# KiCad board sr99-stm32-hotswap.kicad_pcb (continued)
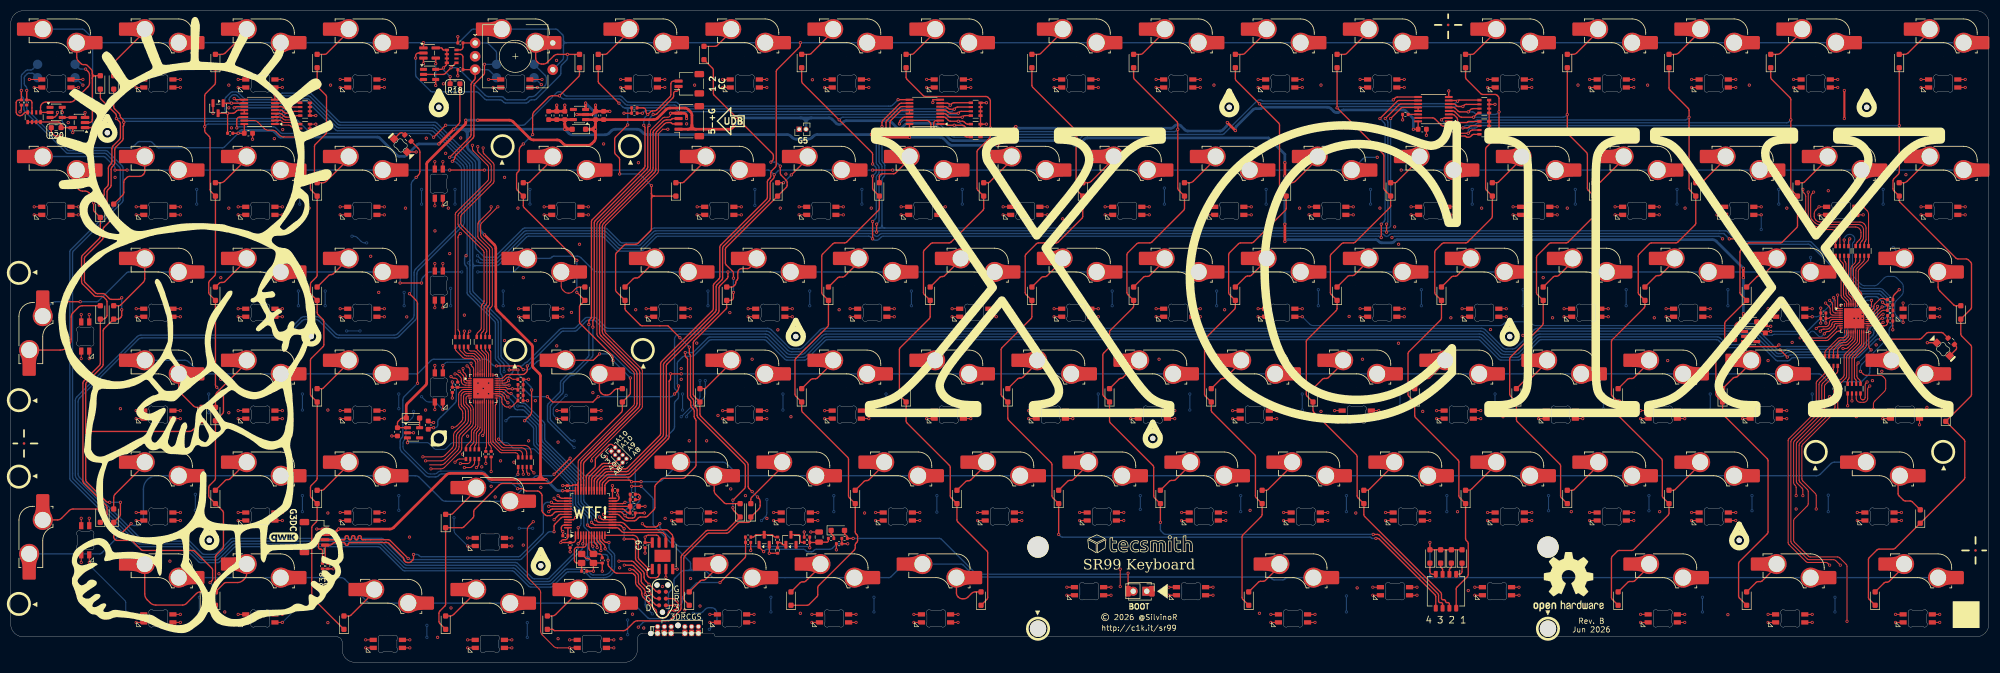
[diagram p0: board, top side]
## Routing (per net, layer and track width the routed paths; a pad name or vN(x,y) marks a point on that pad's centre or on a via; arc(x,y) is an arc through that point) (continued)
GRN1: length 236.5
  Top w0.2: W9.2 194.74,108.97 ; W8.2 213.99,108.97 ; v1(335.74,87.91) 335.74,83.19 arc(335.81,82.8) 336.04,82.47 336.83,81.68 arc(337.16,81.46) 337.54,81.38 344.58,81.38 arc(345.3,81.09) 345.6,80.37 345.6,79.7 arc(345.52,79.31) 345.3,78.98 344.9,78.59 arc(344.68,78.26) 344.61,77.87 R25.8 ; W3.2 313.93,108.97 ; W4.2 294.99,108.97 ; W1.2 v1(356.81,108.97) ; 334.41,108.97 v1(333,108.97) ; W6.2 251.99,108.97 ; W7.2 v1(232.99,108.97) ; W5.2 275.99,108.97
  In2.Cu w0.4: v1(335.74,87.91) 335.74,88.23 arc(335.68,88.53) 335.51,88.77 335.47,88.82 arc(335.31,89.06) 335.25,89.36 335.25,103.94 arc(335.17,104.33) 334.95,104.66 334.56,105.05 arc(334.34,105.38) 334.26,105.77 334.26,107.29 arc(334.18,107.68) 333.96,108.01 333.57,108.4 ; 332.43,109.54 331.34,110.63 arc(331.17,110.74) 330.98,110.78 315.97,110.78 arc(315.78,110.74) 315.61,110.63 v1(313.95,108.97) 312.29,110.63 arc(312.12,110.74) 311.93,110.78 296.92,110.78 arc(296.73,110.74) 296.56,110.63 v1(294.9,108.97) 293.09,110.78 277.87,110.78 arc(277.68,110.74) 277.51,110.63 v1(275.85,108.97) 274.04,110.78 254.06,110.78 arc(253.87,110.74) 253.7,110.63 v1(252.04,108.97) 250.37,110.63 arc(250.21,110.74) 250.01,110.78 234.8,110.78 v1(232.99,108.97) 231.32,110.63 arc(231.16,110.74) 230.96,110.78 215.96,110.78 arc(215.77,110.74) 215.6,110.63 v1(213.94,108.97) 212.27,110.63 arc(212.11,110.74) 211.91,110.78 196.91,110.78 arc(196.72,110.74) 196.55,110.63 v1(194.89,108.97) ; 332.43,109.54 333.57,108.4 ; 332.43,109.54 arc(333,109.3) 333.57,109.54 ; v1(356.81,108.97) 355.15,110.63 arc(354.98,110.74) 354.79,110.78 335.02,110.78 arc(334.83,110.74) 334.66,110.63 333.57,109.54 ; 333.57,108.4 arc(333.33,108.97) 333.57,109.54 ; 314.52,109.54 arc(313.95,109.3) 313.38,109.54 ; 214.5,109.54 arc(213.94,109.3) 213.37,109.54 ; 295.47,109.54 arc(294.9,109.3) 294.33,109.54 ; 233.55,109.54 arc(232.99,109.3) 232.42,109.54 ; 252.6,109.54 arc(252.04,109.3) 251.47,109.54 ; 276.42,109.54 arc(275.85,109.3) 275.28,109.54
GRN2: length 202
  Top w0.2: W22.2 v1(299.66,85.16) ; R25.6 346.21,78.34 arc(346.24,78.54) 346.35,78.7 346.39,78.73 arc(346.5,78.9) 346.54,79.09 346.54,81.19 arc(346.46,81.58) 346.24,81.91 346.14,82.01 arc(345.81,82.24) 345.42,82.31 337.95,82.31 arc(337.56,82.39) 337.23,82.61 337.15,82.69 arc(336.93,83.02) 336.86,83.41 336.86,83.83 arc(336.93,84.22) 337.15,84.55 v1(337.76,85.16) W20.2 ; W23.2 v1(280.61,85.16) ; W27.2 v1(204.41,85.16) ; W21.2 v1(318.71,85.16) ; W19.2 v1(356.81,85.16) ; W24.2 v1(261.56,85.16) ; W26.2 v1(223.46,85.16) ; W25.2 v1(242.51,85.16)
  In2.Cu w0.4: v1(204.41,85.16) 206.07,86.82 arc(206.24,86.93) 206.43,86.97 221.44,86.97 arc(221.64,86.93) 221.8,86.82 v1(223.46,85.16) 225.12,86.82 arc(225.29,86.93) 225.48,86.97 240.49,86.97 arc(240.69,86.93) 240.85,86.82 v1(242.51,85.16) 244.17,86.82 arc(244.34,86.93) 244.53,86.97 259.54,86.97 arc(259.74,86.93) 259.9,86.82 v1(261.56,85.16) 263.22,86.82 arc(263.39,86.93) 263.58,86.97 278.59,86.97 arc(278.79,86.93) 278.95,86.82 v1(280.61,85.16) 282.27,86.82 arc(282.44,86.93) 282.63,86.97 297.64,86.97 arc(297.84,86.93) 298,86.82 v1(299.66,85.16) 301.32,86.82 arc(301.49,86.93) 301.68,86.97 316.69,86.97 arc(316.89,86.93) 317.05,86.82 v1(318.71,85.16) 320.37,86.82 arc(320.54,86.93) 320.73,86.97 335.74,86.97 arc(335.94,86.93) 336.1,86.82 v1(337.76,85.16) 339.42,86.82 arc(339.59,86.93) 339.78,86.97 354.79,86.97 arc(354.99,86.93) 355.15,86.82 v1(356.81,85.16) ; 338.33,85.72 arc(337.76,85.49) 337.2,85.72 ; 300.23,85.72 arc(299.66,85.49) 299.1,85.72 ; 262.13,85.72 arc(261.56,85.49) 261,85.72 ; 224.03,85.72 arc(223.46,85.49) 222.9,85.72 ; 243.08,85.72 arc(242.51,85.49) 241.95,85.72 ; 281.18,85.72 arc(280.61,85.49) 280.05,85.72 ; 319.28,85.72 arc(318.71,85.49) 318.15,85.72
GRN3: length 217.9
  Top w0.2: W39.2 v1(309.19,66.11) ; W37.2 v1(353.46,67.16) ; W45.2 v1(194.89,66.11) ; v1(346.74,52.41) 346.53,52.2 arc(346.42,52.04) 346.38,51.84 346.38,49.51 arc(346.25,49.2) 345.94,49.07 arc(345.63,49.2) 345.5,49.51 R24.8 ; W43.2 v1(232.99,66.11) ; W40.2 v1(290.14,66.11) ; W42.2 v1(252.04,66.11) ; W41.2 v1(271.09,66.11) ; W38.2 v1(328.24,66.11) ; W44.2 v1(213.94,66.11)
  In2.Cu w0.4: 352.66,67.16 v1(353.46,67.16) 353.46,66.36 ; 352.66,67.16 351.44,67.16 arc(351.05,67.24) 350.72,67.46 349.96,68.23 arc(349.63,68.45) 349.24,68.52 347.57,68.52 arc(347.18,68.45) 346.85,68.23 344.29,65.66 arc(343.96,65.44) 343.57,65.36 336.13,65.36 arc(335.41,65.66) 335.11,66.38 335.11,66.91 arc(334.82,67.63) 334.1,67.93 330.27,67.93 arc(330.08,67.89) 329.91,67.78 v1(328.24,66.11) 326.56,67.78 arc(326.4,67.89) 326.2,67.93 310.99,67.93 310.99,67.91 v1(309.19,66.11) 307.51,67.78 arc(307.35,67.89) 307.15,67.93 292.17,67.93 arc(291.98,67.89) 291.81,67.78 v1(290.14,66.11) 288.46,67.78 arc(288.3,67.89) 288.1,67.93 273.12,67.93 arc(272.93,67.89) 272.76,67.78 v1(271.09,66.11) 269.41,67.78 arc(269.25,67.89) 269.05,67.93 254.07,67.93 arc(253.88,67.89) 253.71,67.78 v1(252.04,66.11) 250.36,67.78 arc(250.2,67.89) 250,67.93 235.02,67.93 arc(234.83,67.89) 234.66,67.78 v1(232.99,66.11) 231.31,67.78 arc(231.15,67.89) 230.95,67.93 215.97,67.93 arc(215.78,67.89) 215.61,67.78 v1(213.94,66.11) 212.26,67.78 arc(212.1,67.89) 211.9,67.93 196.92,67.93 arc(196.73,67.89) 196.56,67.78 v1(194.89,66.11) ; 352.66,67.16 arc(353.23,66.93) 353.46,66.36 ; v1(346.74,52.41) 346.74,55.49 arc(346.81,55.88) 347.04,56.21 352.19,61.36 arc(352.41,61.69) 352.49,62.08 352.49,64.49 arc(352.56,64.88) 352.79,65.21 353.23,65.65 arc(353.4,65.91) 353.46,66.22 353.46,66.36 ; 328.8,66.67 arc(328.24,66.44) 327.67,66.67 ; 309.75,66.67 arc(309.19,66.44) 308.62,66.67 ; 271.65,66.67 arc(271.09,66.44) 270.52,66.67 ; 252.6,66.67 arc(252.04,66.44) 251.47,66.67 ; 214.5,66.67 arc(213.94,66.44) 213.37,66.67 ; 233.56,66.68 arc(232.99,66.44) 232.42,66.68 ; 290.7,66.67 arc(290.14,66.44) 289.57,66.67
GRN4: length 194.1
  Top w0.2: W56.2 v1(304.43,47.06) ; W59.2 v1(247.28,47.06) ; W57.2 v1(285.38,47.06) ; W54.2 v1(349.67,47.06) ; W55.2 v1(323.48,47.06) ; W62.2 v1(190.12,47.06) ; W58.2 v1(266.32,47.06) ; R24.6 v1(343.91,48.87) ; W61.2 v1(209.18,47.06) ; W60.2 v1(228.23,47.06)
  In2.Cu w0.4: v1(349.67,47.06) 348.09,48.63 arc(347.83,48.81) 347.53,48.87 325.5,48.87 arc(325.3,48.83) 325.14,48.72 v1(323.48,47.06) 321.81,48.72 arc(321.65,48.83) 321.45,48.87 306.45,48.87 arc(306.25,48.83) 306.09,48.72 v1(304.43,47.06) 302.76,48.72 arc(302.6,48.83) 302.4,48.87 287.4,48.87 arc(287.2,48.83) 287.04,48.72 v1(285.38,47.06) 283.71,48.72 arc(283.55,48.83) 283.35,48.87 268.35,48.87 arc(268.15,48.83) 267.99,48.72 v1(266.32,47.06) 264.51,48.87 249.3,48.87 arc(249.1,48.83) 248.94,48.72 v1(247.28,47.06) 245.61,48.72 arc(245.45,48.83) 245.25,48.87 230.25,48.87 arc(230.05,48.83) 229.89,48.72 v1(228.23,47.06) 226.56,48.72 arc(226.4,48.83) 226.2,48.87 211.2,48.87 arc(211,48.83) 210.84,48.72 v1(209.18,47.06) 207.51,48.72 arc(207.35,48.83) 207.15,48.87 192.15,48.87 arc(191.95,48.83) 191.79,48.72 v1(190.12,47.06) ; 324.04,47.62 arc(323.48,47.39) 322.91,47.62 ; 209.74,47.62 arc(209.18,47.39) 208.61,47.62 ; 266.89,47.62 arc(266.32,47.39) 265.76,47.62 ; 247.84,47.62 arc(247.28,47.39) 246.71,47.62 ; 304.99,47.62 arc(304.43,47.39) 303.86,47.62 ; 285.94,47.62 arc(285.38,47.39) 284.81,47.62 ; 228.79,47.62 arc(228.23,47.39) 227.66,47.62
GRN5: length 206.5
  Top w0.2: W72.2 v1(313.95,28.01) ; 258.21,28.01 v1(256.8,28.01) ; W77.2 v1(218.7,28.01) ; 201.06,28.01 v1(199.65,28.01) ; W71.2 v1(344.91,28.01) ; v1(334.74,31.16) 334.74,32.2 arc(334.7,32.4) 334.59,32.56 333.67,33.48 arc(333.56,33.64) 333.52,33.84 333.52,40.82 arc(333.56,41.01) 333.67,41.18 338.63,46.13 arc(338.74,46.3) 338.78,46.49 338.78,51.58 arc(338.82,51.77) 338.93,51.94 341.11,54.12 arc(341.22,54.28) 341.25,54.48 R21.8 ; W73.2 v1(294.9,28.01) ; W76.2 v1(237.75,28.01) ; W74.2 v1(275.85,28.01)
  In2.Cu w0.4: v1(344.91,28.01) 343.24,29.67 arc(343.08,29.78) 342.88,29.82 341.49,29.82 ; 333.94,29.82 335.54,29.82 ; 333.94,29.82 315.97,29.82 arc(315.78,29.78) 315.62,29.67 v1(313.95,28.01) 312.28,29.67 arc(312.12,29.78) 311.93,29.82 296.92,29.82 arc(296.73,29.78) 296.57,29.67 v1(294.9,28.01) 293.23,29.67 arc(293.07,29.78) 292.88,29.82 277.87,29.82 arc(277.68,29.78) 277.52,29.67 v1(275.85,28.01) 274.18,29.67 arc(274.02,29.78) 273.83,29.82 258.82,29.82 arc(258.63,29.78) 258.47,29.67 v1(256.8,28.01) 255.13,29.67 arc(254.97,29.78) 254.78,29.82 239.77,29.82 arc(239.58,29.78) 239.42,29.67 v1(237.75,28.01) 236.08,29.67 arc(235.92,29.78) 235.73,29.82 220.72,29.82 arc(220.53,29.78) 220.37,29.67 v1(218.7,28.01) 217.03,29.67 arc(216.87,29.78) 216.68,29.82 201.67,29.82 arc(201.48,29.78) 201.32,29.67 v1(199.65,28.01) ; 333.94,29.82 arc(334.5,30.06) 334.74,30.62 ; 335.54,29.82 341.49,29.82 ; 335.54,29.82 arc(334.97,30.06) 334.74,30.62 ; 341.49,29.82 342.83,29.82 ; v1(334.74,31.16) 334.74,30.62 ; 219.27,28.57 arc(218.7,28.34) 218.13,28.57 ; 276.42,28.57 arc(275.85,28.34) 275.28,28.57 ; 238.32,28.57 arc(237.75,28.34) 237.18,28.57 ; 257.37,28.57 arc(256.8,28.34) 256.23,28.57 ; 295.47,28.57 arc(294.9,28.34) 294.33,28.57 ; 314.52,28.57 arc(313.95,28.34) 313.38,28.57
GRN6: length 243.3
  Top w0.2: W88.2 328.28,8.96 328.24,8.91 ; v1(341.74,18.16) 340.87,19.03 arc(340.7,19.15) 340.51,19.18 335.91,19.18 arc(335.71,19.22) 335.55,19.33 332.65,22.23 arc(332.54,22.4) 332.5,22.59 332.5,41.24 arc(332.54,41.44) 332.65,41.6 337.6,46.55 arc(337.71,46.72) 337.75,46.91 337.75,51.99 arc(337.79,52.19) 337.9,52.35 339.51,53.96 arc(339.62,54.12) 339.66,54.32 R21.6 ; W87.2 v1(352.05,8.96) ; W89.2 v1(304.43,8.96) ; W90.2 v1(273.47,14.04) ; W92.2 v1(235.37,8.96) ; W91.2 v1(254.42,14.04)
  Top w0.254: W94.2 v1(197.27,14.04) ; W93.2 v1(216.32,14.04)
  In2.Cu w0.4: 342.54,10.77 350.03,10.77 arc(350.23,10.73) 350.39,10.62 352.05,8.96 v1(352.05,8.96) ; 342.54,10.77 340.94,10.77 ; 342.54,10.77 arc(341.97,11) 341.74,11.57 ; 340.94,10.77 330.26,10.77 arc(330.07,10.73) 329.9,10.62 v1(328.24,8.96) 326.57,10.62 arc(326.41,10.73) 326.22,10.77 306.45,10.77 arc(306.25,10.73) 306.09,10.62 v1(304.43,8.96) 297.7,15.69 arc(297.53,15.8) 297.34,15.84 275.48,15.84 arc(275.28,15.8) 275.12,15.69 v1(273.47,14.04) 271.82,15.69 arc(271.65,15.8) 271.46,15.84 256.43,15.84 arc(256.23,15.8) 256.07,15.69 v1(254.42,14.04) 251.3,10.92 arc(251.13,10.81) 250.94,10.77 237.39,10.77 arc(237.2,10.73) 237.03,10.62 v1(235.37,8.96) 228.64,15.69 arc(228.47,15.8) 228.28,15.84 218.33,15.84 arc(218.13,15.8) 217.97,15.69 216.88,14.6 ; 340.94,10.77 arc(341.5,11) 341.74,11.57 ; 216.88,14.6 v1(216.32,14.04) 215.75,14.6 ; 216.88,14.6 arc(216.32,14.37) 215.75,14.6 ; v1(197.27,14.04) 198.92,15.69 arc(199.08,15.8) 199.28,15.84 214.31,15.84 arc(214.5,15.8) 214.67,15.69 215.75,14.6 ; v1(341.74,18.16) 341.74,11.57 ; 304.99,9.52 arc(304.43,9.29) 303.86,9.52 ; 274.03,14.6 arc(273.47,14.37) 272.9,14.6 ; 235.93,9.52 arc(235.37,9.29) 234.8,9.52 ; 328.8,9.52 arc(328.24,9.29) 327.67,9.52
GRN7: length 259.3
  Top w0.2: W16.2 v1(42.49,108.97) ; W17.2 v1(23.44,108.97) ; W15.2 v1(61.54,108.97) ; W10.2 v1(171.08,108.97) ; W12.2 v1(132.98,108.97) ; W18.2 v1(3.49,108.97) ; v1(87.24,96.41) 87.24,95.71 arc(87.28,95.51) 87.39,95.35 89.6,93.13 arc(89.71,92.96) 89.75,92.77 89.75,90.16 arc(89.71,89.97) 89.6,89.8 83.7,83.9 arc(83.59,83.74) 83.55,83.54 83.55,81.9 arc(83.59,81.7) 83.7,81.54 88.26,76.97 arc(88.38,76.81) 88.41,76.61 88.41,67.57 88.41,67.57 88.41,67.46 arc(88.37,67.26) 88.26,67.1 88.03,66.87 arc(87.92,66.7) 87.88,66.51 87.88,62.49 arc(87.84,62.29) 87.73,62.13 87.19,61.58 arc(87.08,61.42) 87.04,61.22 R31.8 ; W11.2 v1(152.03,108.97) ; W13.2 v1(113.92,108.97) ; W14.2 v1(89.24,108.97)
  In2.Cu w0.4: v1(89.24,108.97) 90.9,110.63 arc(91.07,110.74) 91.26,110.78 98.91,110.78 arc(99.11,110.74) 99.27,110.63 100.47,109.44 arc(100.63,109.33) 100.83,109.29 101.68,109.29 arc(101.87,109.33) 102.03,109.44 103.23,110.63 arc(103.4,110.74) 103.59,110.78 111.9,110.78 arc(112.1,110.74) 112.26,110.63 v1(113.92,108.97) 115.59,110.63 arc(115.75,110.74) 115.95,110.78 130.95,110.78 arc(131.15,110.74) 131.31,110.63 v1(132.98,108.97) 134.64,110.63 arc(134.8,110.74) 135,110.78 150,110.78 arc(150.2,110.74) 150.36,110.63 v1(152.03,108.97) 153.69,110.63 arc(153.85,110.74) 154.05,110.78 169.05,110.78 arc(169.25,110.74) 169.41,110.63 v1(171.07,108.97) ; v1(89.24,108.97) 88.44,108.97 ; v1(89.24,108.97) 89.24,108.17 ; 89.24,108.17 89.24,100.15 arc(89.18,99.84) 89,99.59 87.47,98.05 arc(87.3,97.79) 87.24,97.49 v1(87.24,96.41) ; 89.24,108.17 arc(89,108.74) 88.44,108.97 ; 88.44,108.97 86.04,108.97 arc(85.85,109.01) 85.68,109.12 84.17,110.63 arc(84,110.74) 83.81,110.78 83.32,110.78 arc(83.13,110.74) 82.96,110.63 82.79,110.46 arc(82.62,110.35) 82.43,110.31 80.63,110.31 arc(80.43,110.35) 80.27,110.46 80.09,110.63 arc(79.92,110.74) 79.73,110.78 63.56,110.78 arc(63.37,110.74) 63.2,110.63 v1(61.54,108.97) 59.87,110.63 arc(59.71,110.74) 59.51,110.78 44.51,110.78 arc(44.32,110.74) 44.15,110.63 v1(42.49,108.97) 40.82,110.63 arc(40.66,110.74) 40.46,110.78 25.46,110.78 arc(25.27,110.74) 25.1,110.63 v1(23.44,108.97) 21.77,110.63 arc(21.61,110.74) 21.41,110.78 15.21,110.78 arc(15.01,110.74) 14.85,110.63 14.49,110.28 arc(14.33,110.17) 14.13,110.13 13.83,110.13 arc(13.64,110.17) 13.47,110.28 13.12,110.63 arc(12.95,110.74) 12.76,110.78 5.51,110.78 arc(5.32,110.74) 5.15,110.63 v1(3.49,108.97) ; 114.49,109.54 arc(113.92,109.3) 113.36,109.54 ; 24,109.54 arc(23.44,109.3) 22.87,109.54 ; 152.59,109.54 arc(152.03,109.3) 151.46,109.54 ; 43.05,109.54 arc(42.49,109.3) 41.92,109.54 ; 133.54,109.54 arc(132.98,109.3) 132.41,109.54 ; 62.1,109.54 arc(61.54,109.3) 60.97,109.54
GRN8: length 249.7
  Top w0.2: W31.2 v1(128.21,85.16) ; W104.2 v1(79.21,85.35) ; v1(89.74,85.16) 89.74,84.86 arc(89.7,84.67) 89.59,84.5 87.41,82.32 arc(87.3,82.16) 87.26,81.96 87.26,79.65 arc(87.3,79.45) 87.41,79.29 89.3,77.4 arc(89.41,77.24) 89.45,77.04 89.45,67.3 89.44,67.3 89.44,67.02 arc(89.4,66.83) 89.29,66.66 89.07,66.44 arc(88.96,66.27) 88.92,66.08 88.92,61.94 arc(88.9,61.84) 88.85,61.76 88.71,61.62 arc(88.66,61.54) 88.64,61.44 R31.6 ; W33.2 v1(61.54,85.16) ; W35.2 v1(23.44,85.16) ; W34.2 v1(42.49,85.16) ; W29.2 v1(166.31,85.16) ; W30.2 v1(147.26,85.16) ; W36.2 v1(4.39,85.16) ; W28.2 v1(185.36,85.16) ; W32.2 v1(99.64,85.16)
  In2.Cu w0.4: v1(185.36,85.16) 183.7,86.82 arc(183.54,86.93) 183.34,86.97 168.33,86.97 arc(168.14,86.93) 167.97,86.82 v1(166.31,85.16) 164.65,86.82 arc(164.49,86.93) 164.29,86.97 149.28,86.97 arc(149.09,86.93) 148.92,86.82 v1(147.26,85.16) 145.6,86.82 arc(145.44,86.93) 145.24,86.97 130.23,86.97 arc(130.04,86.93) 129.87,86.82 v1(128.21,85.16) 126.55,86.82 arc(126.39,86.93) 126.19,86.97 119.63,86.97 arc(119.43,86.93) 119.27,86.82 118.28,85.84 arc(118.12,85.73) 117.92,85.69 109.88,85.69 arc(109.5,85.76) 109.17,85.98 108.48,86.67 arc(108.15,86.89) 107.76,86.97 101.66,86.97 arc(101.46,86.93) 101.3,86.82 v1(99.64,85.16) 97.98,86.82 arc(97.81,86.93) 97.62,86.97 90.54,86.97 ; 78.7,86.97 63.56,86.97 arc(63.36,86.93) 63.2,86.82 v1(61.54,85.16) 59.88,86.82 arc(59.71,86.93) 59.52,86.97 44.51,86.97 arc(44.31,86.93) 44.15,86.82 v1(42.49,85.16) 40.83,86.82 arc(40.66,86.93) 40.47,86.97 25.46,86.97 arc(25.26,86.93) 25.1,86.82 v1(23.44,85.16) 21.78,86.82 arc(21.61,86.93) 21.42,86.97 17.87,86.97 arc(17.68,87.01) 17.51,87.12 17.03,87.6 arc(16.86,87.71) 16.67,87.75 16.28,87.75 arc(16.08,87.71) 15.92,87.6 15.43,87.12 arc(15.27,87.01) 15.07,86.97 6.41,86.97 arc(6.21,86.93) 6.05,86.82 v1(4.39,85.16) ; 78.7,86.97 79.72,86.97 ; 78.7,86.97 arc(79.06,86.82) 79.21,86.46 ; 79.72,86.97 88.94,86.97 ; 79.72,86.97 arc(79.36,86.82) 79.21,86.46 ; 88.94,86.97 90.54,86.97 ; 88.94,86.97 arc(89.5,86.73) 89.74,86.17 ; v1(79.21,85.35) 79.21,86.46 ; v1(89.74,85.16) 89.74,86.17 ; 89.74,86.17 arc(89.97,86.73) 90.54,86.97 ; 24,85.72 arc(23.44,85.49) 22.87,85.72 ; 100.2,85.72 arc(99.64,85.49) 99.07,85.72 ; 43.05,85.72 arc(42.49,85.49) 41.92,85.72 ; 166.88,85.72 arc(166.31,85.49) 165.75,85.72 ; 147.83,85.72 arc(147.26,85.49) 146.7,85.72 ; 62.1,85.72 arc(61.54,85.49) 60.97,85.72 ; 128.78,85.72 arc(128.21,85.49) 127.65,85.72
GRN9: length 248.1
  Top w0.2: W48.2 v1(137.74,66.11) ; W46.2 v1(175.84,66.11) ; W50.2 v1(94.88,66.11) ; v1(97.74,35.41) 97.26,35.89 arc(97.21,35.97) 97.19,36.07 R30.8 ; W52.2 v1(42.49,66.11) ; W47.2 v1(156.79,66.11) ; W53.2 v1(23.44,66.11) ; v1(118.69,66.11) W49.2 ; W105.2 v1(79.21,66.3) ; W51.2 v1(61.54,66.11)
  In2.Cu w0.4: 138.3,66.67 139.41,67.78 arc(139.58,67.89) 139.77,67.93 154.75,67.93 arc(154.95,67.89) 155.11,67.78 v1(156.79,66.11) 158.61,67.93 173.8,67.93 arc(174,67.89) 174.16,67.78 v1(175.84,66.11) ; 138.3,66.67 137.17,65.54 ; 138.3,66.67 arc(137.74,66.44) 137.17,66.67 ; v1(97.74,35.41) 97.96,35.64 arc(98.29,35.86) 98.68,35.94 118.84,35.94 arc(119.23,36.01) 119.56,36.23 125.94,42.61 arc(126.16,42.94) 126.24,43.33 v1(126.24,45.91) ; 78.41,67.93 63.57,67.93 arc(63.38,67.89) 63.21,67.78 v1(61.54,66.11) 59.86,67.78 arc(59.7,67.89) 59.5,67.93 44.52,67.93 arc(44.33,67.89) 44.16,67.78 v1(42.49,66.11) 40.81,67.78 arc(40.65,67.89) 40.45,67.93 25.47,67.93 arc(25.28,67.89) 25.11,67.78 v1(23.44,66.11) ; 78.41,67.93 80.01,67.93 ; 78.41,67.93 arc(78.98,67.7) 79.21,67.13 ; 80.01,67.93 92.84,67.93 arc(93.04,67.89) 93.2,67.78 v1(94.88,66.11) 96.55,67.78 arc(96.71,67.89) 96.91,67.93 105.76,67.93 arc(105.95,67.89) 106.12,67.78 106.84,67.06 arc(107,66.95) 107.2,66.91 113.01,66.91 arc(113.2,66.95) 113.37,67.06 114.09,67.78 arc(114.25,67.89) 114.45,67.93 116.65,67.93 arc(116.85,67.89) 117.01,67.78 v1(118.69,66.11) 120.36,67.78 arc(120.53,67.89) 120.72,67.93 135.7,67.93 arc(135.9,67.89) 136.06,67.78 137.17,66.67 ; 80.01,67.93 arc(79.45,67.7) 79.21,67.13 ; v1(79.21,66.3) 79.21,67.13 ; 137.17,65.54 130.04,58.41 arc(129.81,58.08) 129.74,57.69 v1(129.74,52.66) ; 137.17,65.54 arc(137.41,66.11) 137.17,66.67 ; 43.05,66.67 arc(42.49,66.44) 41.92,66.67 ; 95.44,66.67 arc(94.88,66.44) 94.31,66.67 ; 157.35,66.67 arc(156.79,66.44) 156.22,66.67 ; 62.1,66.67 arc(61.54,66.44) 60.97,66.67 ; 119.25,66.67 arc(118.69,66.44) 118.12,66.67
  Bottom w0.2: v1(126.24,45.91) 126.24,45.99 arc(126.28,46.19) 126.39,46.35 129.29,49.26 arc(129.62,49.75) 129.74,50.33 v1(129.74,52.66)
GRN10: length 219.1
  Top w0.2: R30.6 95.59,36.04 arc(95.61,35.95) 95.66,35.86 95.66,35.86 arc(95.72,35.78) 95.74,35.68 v1(95.74,35.16) ; W67.2 v1(61.54,47.06) ; W64.2 v1(152.03,47.06) ; W70.2 v1(13.17,56.78) ; W66.2 v1(102.02,47.06) ; W65.2 v1(132.98,47.06) ; W68.2 v1(42.49,47.06) ; W69.2 v1(23.44,47.06) ; W63.2 v1(171.08,47.06)
  Top w0.254: W106.2 v1(79.21,47.25)
  In1.Cu w0.4: v1(79.21,47.25) 79.21,47.25 79.84,47.88 arc(80.17,48.1) 80.56,48.18 80.73,48.18 arc(81.12,48.1) 81.45,47.88 82.87,46.46 arc(83.2,46.24) 83.59,46.16 100.7,46.16 arc(101.09,46.24) 101.42,46.46 v1(102.02,47.06)
  In2.Cu w0.4: v1(102.02,47.06) 103.68,48.72 arc(103.85,48.83) 104.04,48.87 110.82,48.87 arc(111.12,48.93) 111.38,49.1 ; v1(95.74,35.16) 95.74,37.43 arc(95.81,37.82) 96.04,38.15 100.59,42.7 arc(100.92,42.92) 101.31,43 108.48,43 arc(108.86,43.08) 109.19,43.3 110.85,44.96 arc(111.07,45.28) 111.15,45.67 111.15,48.54 arc(111.21,48.84) 111.38,49.1 ; v1(171.08,47.06) 169.41,48.72 arc(169.25,48.83) 169.05,48.87 154.05,48.87 arc(153.85,48.83) 153.69,48.72 v1(152.03,47.06) 150.36,48.72 arc(150.2,48.83) 150,48.87 135,48.87 arc(134.8,48.83) 134.64,48.72 v1(132.98,47.06) 131.31,48.72 arc(131.15,48.83) 130.95,48.87 121.7,48.87 arc(121.5,48.91) 121.34,49.02 121.09,49.26 arc(120.93,49.37) 120.73,49.41 112.02,49.41 arc(111.72,49.35) 111.46,49.18 111.38,49.1 ; v1(79.21,47.25) 77.59,48.87 63.56,48.87 arc(63.36,48.83) 63.2,48.72 v1(61.54,47.06) 59.88,48.72 arc(59.71,48.83) 59.52,48.87 44.51,48.87 arc(44.31,48.83) 44.15,48.72 v1(42.49,47.06) 40.83,48.72 arc(40.66,48.83) 40.47,48.87 25.46,48.87 arc(25.26,48.83) 25.1,48.72 v1(23.44,47.06) 22.63,47.06 arc(22.44,47.1) 22.27,47.21 19.98,49.5 arc(19.87,49.66) 19.83,49.85 19.83,50.1 arc(19.8,50.3) 19.69,50.46 18.28,51.86 arc(17.95,52.09) 17.57,52.16 16.16,52.16 arc(15.77,52.24) 15.44,52.46 13.47,54.43 arc(13.25,54.76) 13.17,55.15 v1(13.17,56.78) ; 110.35,48.87 arc(110.91,48.63) 111.15,48.07 ; 43.05,47.62 arc(42.49,47.39) 41.92,47.62 ; 133.54,47.62 arc(132.98,47.39) 132.41,47.62 ; 62.1,47.62 arc(61.54,47.39) 60.97,47.62 ; 152.59,47.62 arc(152.03,47.39) 151.46,47.62
GRN11: length 211.8
  Top w0.2: W83.2 v1(85.35,23.25) ; W79.2 v1(180.6,28.01) ; W80.2 v1(161.55,28.01) ; W81.2 v1(142.5,28.01) ; R27.8 87.44,37.07 arc(87.4,36.88) 87.29,36.71 v1(86.99,36.41) ; W85.2 v1(42.49,28.01) ; W86.2 v1(23.44,28.01) ; W84.2 v1(61.54,28.01)
  Top w0.254: W82.2 v1(123.45,28.01)
  In1.Cu w0.4: v1(81.99,29.16) 81.99,31.99 arc(82.06,32.38) 82.29,32.71 85.69,36.11 arc(86.02,36.34) 86.41,36.41 v1(86.99,36.41)
  In2.Cu w0.4: v1(23.44,28.01) 25.1,29.67 arc(25.27,29.78) 25.46,29.82 40.46,29.82 arc(40.66,29.78) 40.82,29.67 v1(42.49,28.01) 44.15,29.67 arc(44.32,29.78) 44.51,29.82 59.51,29.82 arc(59.71,29.78) 59.87,29.67 v1(61.54,28.01) 63.2,29.67 arc(63.37,29.78) 63.56,29.82 78.56,29.82 arc(78.76,29.78) 78.92,29.67 80.14,28.45 ; 80.14,28.45 81.28,27.32 ; 80.14,28.45 arc(80.71,28.22) 81.28,28.45 ; 81.28,27.32 v1(85.35,23.25) 87.01,24.91 arc(87.17,25.02) 87.37,25.05 v1(94.99,25.05) ; 81.28,27.32 arc(81.04,27.88) 81.28,28.45 ; v1(97.49,25.05) 97.67,25.05 arc(97.86,25.09) 98.03,25.2 98.34,25.51 arc(98.45,25.68) 98.49,25.87 98.49,28.7 arc(98.53,28.9) 98.64,29.06 101.34,31.76 arc(101.45,31.93) 101.49,32.12 101.49,32.95 arc(101.53,33.15) 101.64,33.31 103.34,35.01 arc(103.5,35.12) 103.7,35.16 117.59,35.16 arc(117.98,35.09) 118.31,34.86 118.72,34.46 arc(118.94,34.13) 119.02,33.74 119.02,32.65 arc(119.05,32.46) 119.17,32.29 v1(123.45,28.01) 125.12,29.67 arc(125.28,29.78) 125.47,29.82 132.03,29.82 arc(132.22,29.78) 132.39,29.67 133.9,28.16 arc(134.07,28.05) 134.26,28.01 v1(142.5,28.01) 144.17,29.67 arc(144.33,29.78) 144.52,29.82 159.53,29.82 arc(159.72,29.78) 159.88,29.67 v1(161.55,28.01) 163.22,29.67 arc(163.38,29.78) 163.57,29.82 178.58,29.82 arc(178.77,29.78) 178.93,29.67 v1(180.6,28.01) 180.59,28.01 ; v1(81.99,29.16) 81.28,28.45 ; 124.02,28.57 arc(123.45,28.34) 122.88,28.57 ; 62.1,28.57 arc(61.54,28.34) 60.97,28.57 ; 85.92,23.81 arc(85.35,23.58) 84.78,23.81 ; 162.12,28.57 arc(161.55,28.34) 160.98,28.57 ; 43.05,28.57 arc(42.49,28.34) 41.92,28.57
  Bottom w0.2: v1(94.99,25.05) v1(97.49,25.05)
GRN12: length 232.4
  Top w0.2: W101.2 v1(42.49,8.96) ; W99.2 v1(85.35,4.19) ; W98.2 v1(104.4,4.19) ; W102.2 v1(23.44,8.96) ; W96.2 v1(149.64,8.96) ; W95.2 v1(168.69,8.96) ; W97.2 v1(130.59,8.96) ; R27.6 85.84,37.67 arc(85.69,37.31) 85.33,37.16 v1(83.99,37.16) ; W103.2 v1(13.17,18.67) ; W100.2 v1(66.3,4.19)
  Top w0.254: v1(117.22,6.57) 117.22,6.58
  In1.Cu w0.4: v1(83.99,37.16) 77.79,30.96 arc(77.56,30.63) 77.49,30.24 v1(77.49,25.91)
  In2.Cu w0.4: v1(117.22,6.57) 117.21,6.56 110.86,6.56 arc(110.66,6.52) 110.5,6.41 110.23,6.14 arc(110.07,6.03) 109.87,5.99 106.41,5.99 arc(106.22,5.96) 106.05,5.85 v1(104.4,4.19) 102.73,5.87 arc(102.57,5.98) 102.37,6.01 87.38,6.01 arc(87.18,5.98) 87.02,5.87 v1(85.35,4.19) 83.68,5.87 arc(83.52,5.98) 83.32,6.01 80.54,6.01 ; 78.94,6.01 80.54,6.01 ; 78.94,6.01 68.33,6.01 arc(68.13,5.98) 67.97,5.87 v1(66.3,4.19) 64.63,5.87 arc(64.47,5.98) 64.27,6.01 55.7,6.01 arc(55.51,6.05) 55.35,6.16 50.89,10.62 arc(50.72,10.73) 50.53,10.77 44.51,10.77 arc(44.32,10.73) 44.15,10.62 v1(42.49,8.96) 40.82,10.62 arc(40.66,10.73) 40.47,10.77 25.46,10.77 arc(25.27,10.73) 25.1,10.62 v1(23.44,8.96) 17.63,14.76 17.63,14.77 17.04,15.36 arc(16.71,15.59) 16.32,15.66 14.41,15.66 arc(14.02,15.74) 13.69,15.96 13.47,16.18 arc(13.25,16.51) 13.17,16.9 v1(13.17,18.67) ; 78.94,6.01 arc(79.5,6.25) 79.74,6.81 ; 80.54,6.01 arc(79.97,6.25) 79.74,6.81 ; v1(168.69,8.96) 167.03,10.62 arc(166.87,10.73) 166.67,10.77 151.67,10.77 arc(151.47,10.73) 151.31,10.62 v1(149.64,8.96) 147.98,10.62 arc(147.82,10.73) 147.62,10.77 132.62,10.77 arc(132.42,10.73) 132.26,10.62 v1(130.59,8.96) 129.7,8.06 arc(129.53,7.95) 129.34,7.91 v1(128.99,7.91) ; 79.74,6.81 79.74,17.4 77.49,19.65 v1(77.49,25.91) ; 104.97,4.76 arc(104.4,4.53) 103.83,4.76 ; 150.21,9.52 arc(149.64,9.29) 149.08,9.52 ; 85.92,4.76 arc(85.35,4.53) 84.78,4.76 ; 43.05,9.52 arc(42.49,9.29) 41.92,9.52 ; 24,9.52 arc(23.44,9.29) 22.87,9.52 ; 66.87,4.76 arc(66.3,4.53) 65.73,4.76
  Bottom w0.254: v1(117.22,6.57) 118.12,7.47 arc(118.29,7.58) 118.48,7.62 122.25,7.62 arc(122.35,7.64) 122.43,7.7 122.57,7.84 arc(122.65,7.89) 122.75,7.91 v1(128.99,7.91)
